# Altium PCB Smart-Plane.PcbDoc
Units mil, origin at the board's own origin, x right, y up, seen from the top; angles counter-clockwise.
Board outline 2052.28 x 989.83 mil, 4 copper layers (Top Layer, Signal Layer 1, GND, Bottom Layer), stack 36.221 mil thick; 75 components, 54 nets, 239 pads, 136 vias.
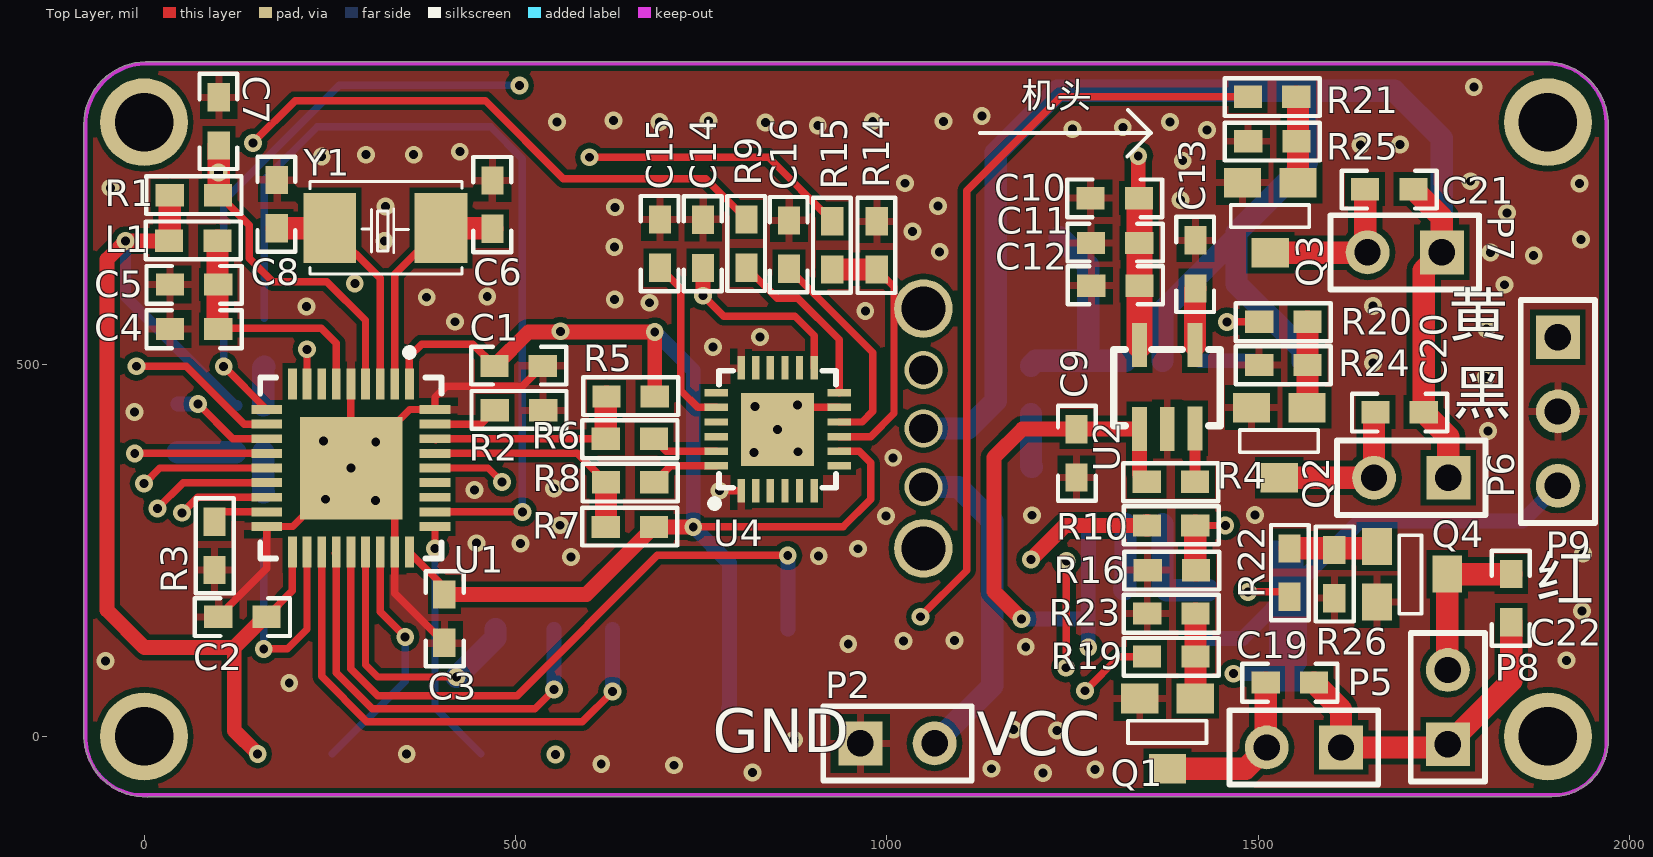
[diagram p0: Top Layer view]
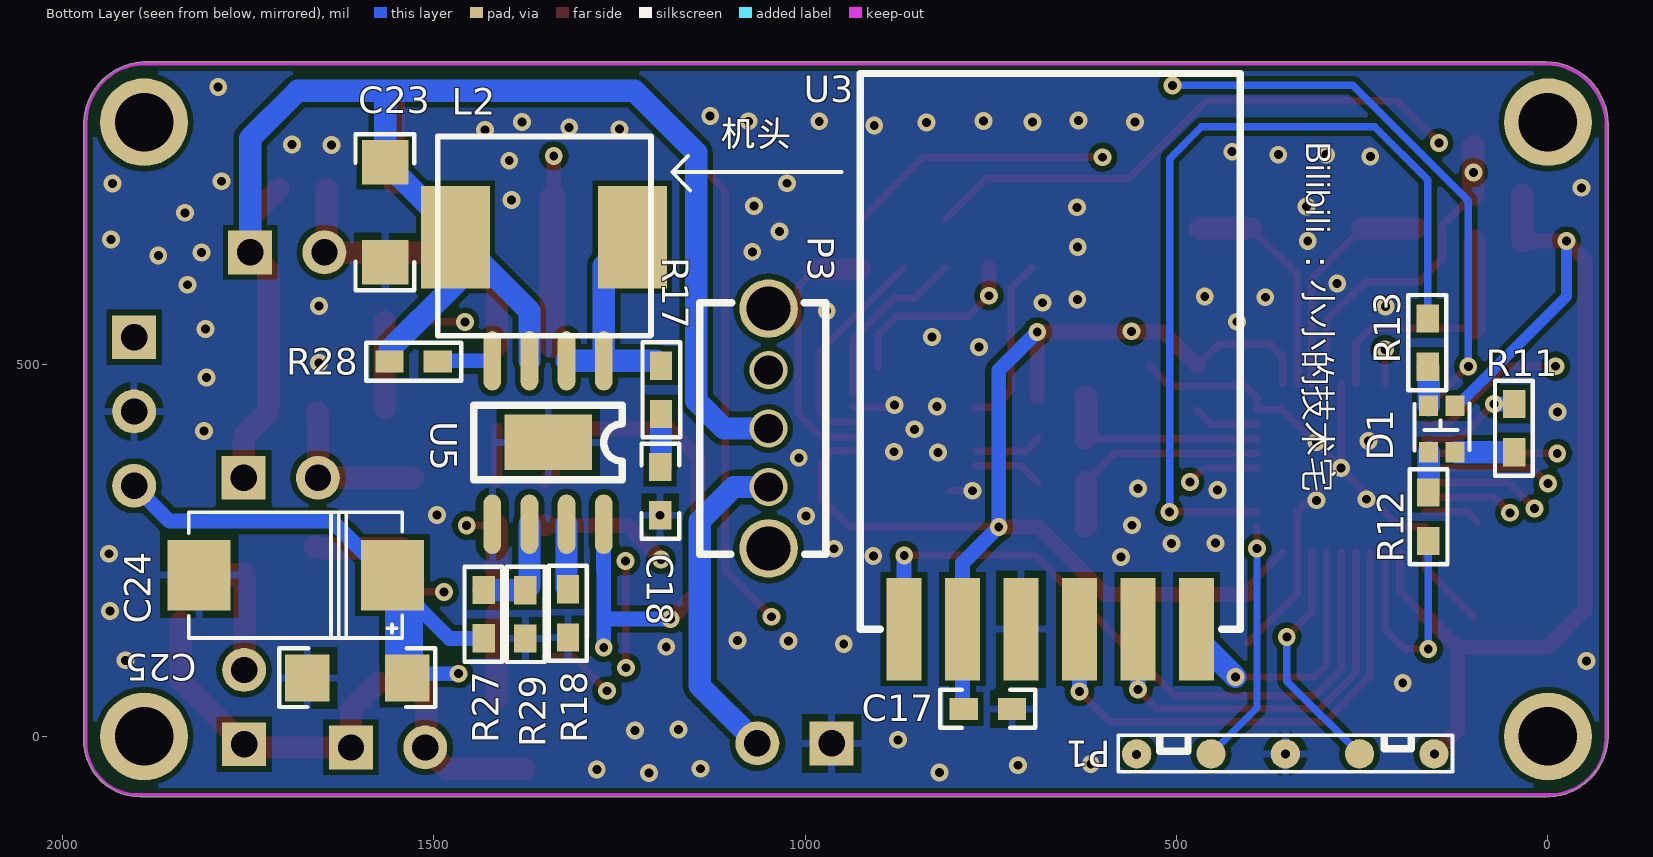
[diagram p1: Bottom Layer view, seen from below]
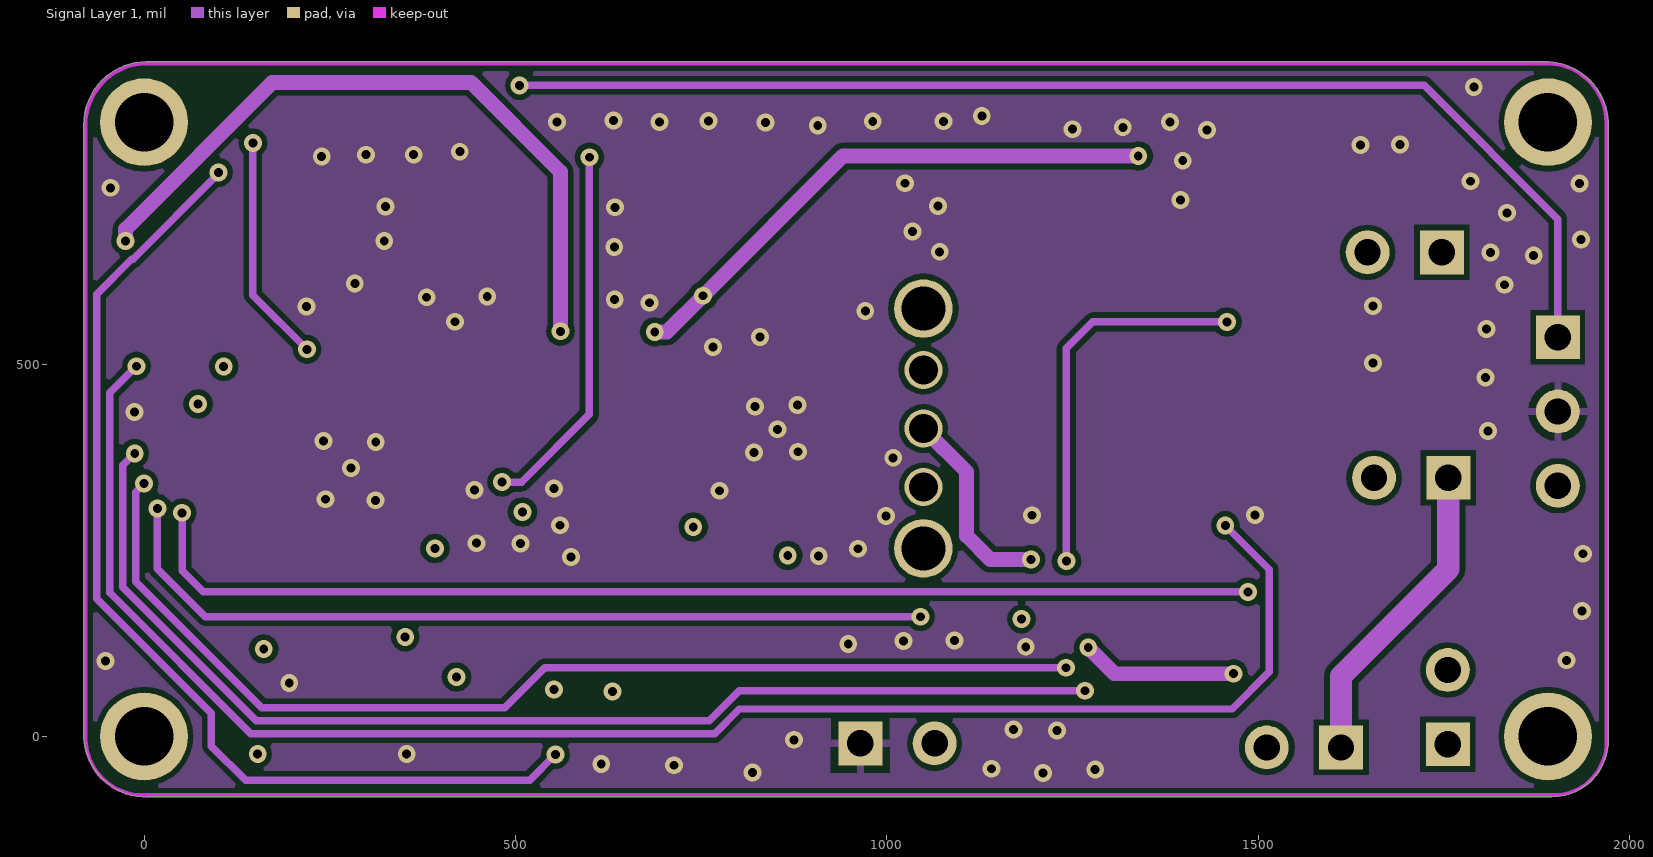
[diagram p2: Signal Layer 1]
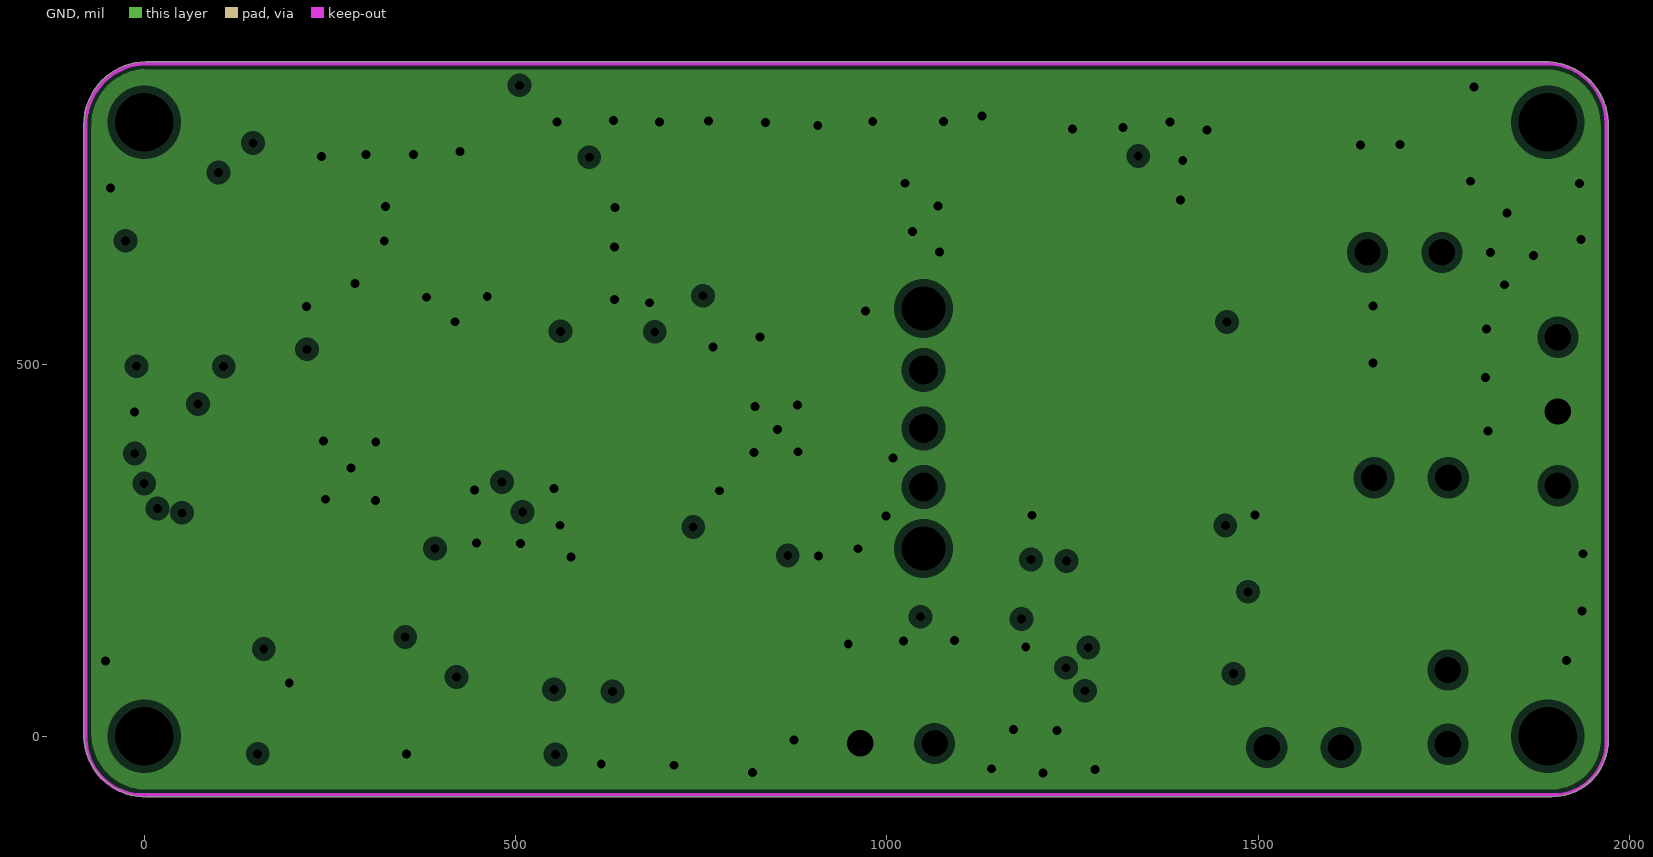
[diagram p3: GND, clearances drawn from the general rule]

## Layer stack, top to bottom
Top Solder: solder mask 1.575, Solder Resist, Dk 3.5
Top Layer: signal copper 7.874
Dielectric 1: core 1.575, FR-4, Dk 4.2
Signal Layer 1: signal copper 7.874
Dielectric 2: core 1.575, Dk 4.2
GND: plane copper 7.874, net GND
Dielectric 3: core 1.575, Dk 4.2
Bottom Layer: signal copper 7.874
Bottom Solder: solder mask 1.575, Solder Resist, Dk 3.5

## Board outline
-80.99,-0.47 cw(c-78.74,0.64) -81.26,0.64 -81.26,822.4 cw(c-78.74,822.4) -81.06,823.37 cw(c3.51,823.65) 2.02,908.21 cw(c2.06,905.7) 3.01,908.03 1889.19,908.03 cw(c1889.19,905.51) 1889.79,907.95 cw(c1886.32,823.45) 1970.81,827.2 cw(c1968.5,826.2) 1971.02,826.2 1971.02,-3.71 ccw(c1894.31,-4.55) 1971.02,-3.71 cw(c1894.31,-4.55) 1971.02,-4.55 cw(c1894.31,-4.55) 1895.15,-81.26 cw(c1895.12,-78.74) 1895.12,-81.26 6.06,-81.26 cw(c4.77,-79.1) 4.8,-81.61 cw(c3.51,2.95)

## Design rules (kind name [scope] priority, off if disabled: settings)
Clearance PVCC [InNet('PVCC') vs InNet('GND-WAVE')] p1: gap=20
Clearance [All] p2: gap=7.5
HoleSize [All] p1: absolutevalues=TRUE maxlimit=500 minlimit=1 maxpercent=80.000 minpercent=20.000
MinimumSolderMaskSliver [All] p1: minsoldermaskwidth=0
PlaneClearance [All] p1: clearance=10
PlaneConnect [All] p1: planeconnectstyle=Relief reliefexpansion=20 reliefentries=4 reliefconductorwidth=10 reliefairgap=10
PolygonConnect Via [IsVia] p1: connectstyle=Direct reliefconductorwidth=10 reliefentries=4 polygonreliefangle="90 Angle" airgapwidth=10
PolygonConnect [All] p2: connectstyle=Relief reliefconductorwidth=10 reliefentries=4 polygonreliefangle="90 Angle" airgapwidth=10
RoutingVias [All] p1: holewidth=12 width=24 viastyle="Through Hole" minholewidth=12 minwidth=24 maxholewidth=500 maxwidth=1000
ShortCircuit [All] p1: allowed=TRUE
SilkToSilkClearance [All] p1: silktosilkclearance=0
SilkToSolderMaskClearance [IsPad] p1: minsilkscreentomaskgap=0 clearancetoexposedcopper=TRUE
SolderMaskExpansion [All] p1: expansion=4
Width [All] p1: maxlimit=100 minlimit=9 preferedwidth=10
23 further rules are at their usual default settings.

## Classes and differential pairs
component class MCU: C1 C2 C3 C4 C5 C6 C7 C8 C9 C10 C11 C12 C13 C18 C23 C24 C25 L1 L2 P1 P2 P3 R1 R2 R3 R4 R17 R18 R27 R28 R29 U1 U2 U5 Y1
component class Module: C14 C15 C16 C17 C19 C20 C21 C22 D1 P5 P6 P7 P8 P9 Q1 Q2 Q3 Q4 R5 R6 R7 R8 R9 R10 R11 R12 R13 R14 R15 R16 R19 R20 R21 R22 R23 R24 R25 R26 U3 U4

## Components (designator, comment, footprint, x,y, rotation, side; value= is the part's Value field where it differs from the comment)
C1 "0.1μF" 0603C 504.3,498.7 r180 top
C2 "0.1μF" 0603C 132.4,161.1 r0 top
C3 "0.1μF" 0603C 404.2,158.5 r90 top
C4 "0.1μF" 0603C 67.3,548.5 r0 top
C5 "0.1μF" 0603C 67.3,608.3 r0 top
C6 "20pF" 0603C 469.01,715.9 r270 top
C7 "0.1μF" 0603C 100.6,827.8 r270 top
C8 "20pF" 0603C 178.71,716.4 r270 top
C9 "1μF" 0603C 1255.2,381.1 r90 top
C10 "1μF" 0603C 1306.7,724.6 r0 top
C11 "10μF" 0603C 1307.1,664.3 r180 top
C12 "0.1μF" 0603C 1307.6,606.8 r180 top
C13 "0.1μF" 0603C 1415.3,635.3 r270 top
C14 "0.1μF" 0603C 752.5,663.1 r270 top
C15 "10μF" 0603C 694.4,663.4 r270 top
C16 "0.1μF" 0603C 868.1,662.1 r270 top
C17 "10μF" 0603C 753.9,36.8 r0 bottom
C18 "2.2nF" 0603C 1195.1,330.2 r90 bottom
C19 "4.7μF" 0603C 1542.5,72.6 r0 top
C20 "4.7μF" 0603C 1690,436.5 r0 top
C21 "4.7μF" 0603C 1676.2,736.6 r0 top
C22 "4.7μF" 0603C 1840.4,186.1 r270 top
C23 "22μF" 1206C 1565.2,638.35 r90 bottom
C24 "100μF" D7343C 1555.4,217.1 r0 bottom
C25 "22μF" 1206C 1669.95,78.5 r180 bottom
D1 "RGB-LED" RGB-LED 160.53,382.41 r90 bottom
L1 "BEAD-220/100MHZ" 0603R 66.2,667.1 r180 top
L2 "4.7μH_5.5A_7*7*3" "7*7*3mm - 06030" 1470.59,672.1 r180 bottom
P1 "微型下载口" 微型下载口 553.5,-23.5 r180 bottom
P2 "Header 2" HDR1X2 964.2,-9.4 r0 top
P3 "拨动开关直插-3P" 拨动开关-3P 1049.1,335.74 r90 bottom locked
P5 "Header 2" HDR1X2 1611.3,-14.9 r180 top
P6 "Header 2" HDR1X2 1755.7,348.1 r180 top
P7 "Header 2" HDR1X2 1747,651.6 r180 top
P8 "Header 2" HDR1X2 1755.1,-10.6 r90 top
P9 "Header 3" HDR1X3 1903.2,537.4 r270 top
Q1 "CJ2310" SOT23-3 1415.1,50.99 r180 top
Q2 "CJ2310" SOT23-3 1565.5,442.59 r180 top
Q3 "CJ2310" SOT23-3 1553.3,745.39 r180 top
Q4 "CJ2310" SOT23-3 1659.7,255.8 r270 top
R1 "10K ohm" 0603R 67.1,728.3 r180 top
R2 "10K ohm" 0603R 504.7,439 r180 top
R3 "10K ohm" 0603R 94.8,256.6 r90 top
R4 "10K ohm" 0603R 1382.2,342.8 r0 top
R5 "4.7K ohm" 0603R 655,457.6 r180 top
R6 "120ohm" 0603R 654,400.5 r0 top
R7 "4.7K ohm" 0603R 653.9,282 r180 top
R8 "120ohm" 0603R 654.4,342.2 r0 top
R9 "120ohm" 0603R 810.9,663.5 r270 top
R10 "200K ohm" 0603R 1382.6,283.9 r180 top
R11 "510ohm" 0603R 45.3,415 r270 bottom
R12 "510ohm" 0603R 161.1,295.7 r90 bottom
R13 "510ohm" 0603R 161.9,530.2 r270 bottom
R14 "10K ohm" 0603R 986.4,660.9 r270 top
R15 "120ohm" 0603R 926.5,661.1 r270 top
R16 "68K ohm" 0603R 1383.5,223.8 r0 top
R17 "24K ohm" 0603R 1193.8,466.6 r90 bottom
R18 "30K ohm" 0603R 1319.1,165.6 r270 bottom
R19 "100ohm" 0603R 1382.7,107.5 r0 top
R20 "100ohm" 0603R 1533.6,558 r0 top
R21 "100ohm" 0603R 1518.5,861.2 r0 top
R22 "100ohm" 0603R 1542,220.6 r90 top
R23 "10K ohm" 0603R 1382.9,165.5 r0 top
R24 "10K ohm" 0603R 1533.6,500.1 r0 top
R25 "10K ohm" 0603R 1518.8,801.2 r0 top
R26 "10K ohm" 0603R 1602.2,218.6 r90 top
R27 "100Kohm" 0603R 1432.4,164.5 r270 bottom
R28 "10K ohm" 0603R 1526.8,504.7 r180 bottom
R29 "13K ohm" 0603R 1376.6,164.2 r90 bottom
U1 "STM32F103T8U6-36PIN" QFN-36N 278.4,361.3 r270 top locked
U2 "LP3985" SOT-23-5 1339.9,413.71 r0 top
U3 "2.4G_转串口" 2.4G-串口 866.76,144.3 r180 bottom locked
U4 "MPU6050" QFN24 852.88,413.39 r90 top locked
U5 "FP6277" "SO8 - FP6277" 1271,505.6 r270 bottom
Y1 "XTAL_8MHz_5032" 5032 250.1,684.2 r0 top

## Footprints (in the part's own frame and the unit in brackets; to place one, negate y for a bottom-side part, rotate by r counter-clockwise, add the part's x,y. Pads: shape width x height; smd on the part's side, far side on the other; paste and mask are expansions set on the pad)
2.4G-串口 [mm]
  rect 1.2x3.5 smd: 1(0,0) 2(2,0) 3(4,0) 4(6,0) 5(8,0) 6(10,0)
  silkscreen extent -1.5,0 11.5,19, body extent -1.5,0 11.5,19, height 1.5
"7*7*3mm - 06030" [mm]
  rect 2.35x3.5 smd: 1(0,0) 2(6.05,0)
  silkscreen extent -0.61,-3.37 6.68,3.44, body extent -0.64,-3.37 6.68,3.44, height 3
0603C [mil]
  rect 38x30 smd: 1(-32.5,0) 2(32.5,0)
  silkscreen extent -64,-26 64,25, body extent -35,-20 35,20, height 31
0603R [mil]
  rect 38x30 smd: 1(-32.5,0) 2(32.5,0)
  silkscreen extent -64,-26 64,25, body extent -35,-20 35,20, height 16
1206C [mm]
  rect 1.52x1.6 smd: 1(0,0) 2(3.42,0)
  silkscreen extent -0.97,-0.99 4.37,1.02, body extent -0.13,-0.89 3.68,0.89, height 2
5032 [mm]
  rect 1.8x2.4 smd: 1(0,0) 2(3.8,0)
  silkscreen extent -0.69,-1.57 4.51,1.6, body extent -0.69,-1.58 4.51,1.61, height 1.25
D7343C [mm]
  rect 2.16x2.41 smd: 1(0,0) 2(6.61,0)
  silkscreen extent -0.33,-2.15 6.97,2.15, body extent -0.35,-2.21 6.97,2.19, height 2.9
HDR1X2 [mm] "Connector; Header; 2 Position"
  rect 1.5x1.5 hole 0.9: 1(0,0)
  round 1.5 hole 0.9: 2(2.54,0)
  silkscreen extent -1.27,-1.27 3.81,1.27
HDR1X3 [mm] "Connector; Header; 3 Position"
  rect 1.5x1.5 hole 0.9: 1(0,0)
  round 1.5 hole 0.9: 2(2.54,0) 3(5.08,0)
  silkscreen extent -1.27,-1.27 6.35,1.27
QFN24 [mm]
  rect 0.8x0.25 smd: 1(-2.101,1.25) 2(-2.101,0.75) 3(-2.101,0.25) 4(-2.101,-0.25) 5(-2.101,-0.75) 6(-2.101,-1.25) 13(2.101,-1.25) 14(2.101,-0.75) 15(2.101,-0.25) 16(2.101,0.25) 17(2.101,0.75) 18(2.101,1.25)
  rect 0.25x0.8 smd: 7(-1.25,-2.101) 8(-0.75,-2.101) 9(-0.25,-2.101) 10(0.25,-2.101) 11(0.75,-2.101) 12(1.25,-2.101) 19(1.25,2.101) 20(0.75,2.101) 21(0.25,2.101) 22(-0.25,2.101) 23(-0.75,2.101) 24(-1.25,2.101)
  rect 2.5x2.5 smd: 25(0,0)
  silkscreen extent -2.66,-2 2,2.28, body extent -2,-2 2,2, height 1.3
QFN-36N [mm]
  rect 1.05x0.3 smd: 1(-2.875,2) 2(-2.875,1.5) 3(-2.875,1) 4(-2.875,0.5) 5(-2.875,0) 6(-2.875,-0.5) 7(-2.875,-1) 8(-2.875,-1.5) 9(-2.875,-2) 19(2.875,-2) 20(2.875,-1.5) 21(2.875,-1) 22(2.875,-0.5) 23(2.875,0) 24(2.875,0.5) 25(2.875,1) 26(2.875,1.5) 27(2.875,2)
  rect 0.3x1.05 smd: 10(-2,-2.875) 11(-1.5,-2.875) 12(-1,-2.875) 13(-0.5,-2.875) 14(0,-2.875) 15(0.5,-2.875) 16(1,-2.875) 17(1.5,-2.875) 18(2,-2.875) 28(2,2.875) 29(1.5,2.875) 30(1,2.875) 31(0.5,2.875) 32(0,2.875) 33(-0.5,2.875) 34(-1,2.875) 35(-1.5,2.875) 36(-2,2.875)
  silkscreen extent -4.07,-3.1 3.1,3.1
RGB-LED [mm]
  rect 0.7x0.65 smd: 1(1.6,0) 2(0,0) 3(1.6,-0.9) 4(0,-0.9)
  silkscreen extent 0.05,-1.4 1.68,0.48, body extent -0.2,-1.42 1.83,0.51, height 0.35
"SO8 - FP6277" [mil]
  oval 80x24 smd: 1(0,0) 2(0,-50) 3(0,-100) 4(0,-150) 5(220,-150) 6(220,-100) 7(220,-50) 8(220,0)
  rect 74.8x118.11 smd: 9(109.8,-74.7)
  silkscreen extent 60,-175 160,25, body extent 45,-175 175,25, height 47
SOT23-3 [mil]
  rect 50x40 smd: 1(0,0) 2(74.8,0) 3(37.4,94.49)
  silkscreen extent -15,30 91,60, body extent -25,24 99,72, height 37
SOT-23-5 [mm]
  rect 0.5x1.5 smd: 1(0,0) 2(0.95,0) 3(1.9,0.02) 4(1.9,2.87) 5(0,2.87)
  silkscreen extent -0.88,0.12 2.77,2.72, body extent -0.7,0.2 2.6,2.6, height 1
微型下载口 [mm]
  round 1 smd: 1(0,0) 2(2.54,0) 3(5.08,0) 4(7.62,0) 5(10.16,0)
  silkscreen extent -0.64,-0.61 10.79,0.64
拨动开关-3P [mm]
  round 2 hole 1.5: 0(-2.1,0) 0(6.1,0)
  round 1.3 hole 1: 1(0,0) 2(2,0) 3(4,0)
  silkscreen extent -2.29,-1.95 6.31,2.35, body extent -2.29,-1.95 6.31,2.35, height 6.7

## Part data
C1 C2 C3 C4 C5 C7 C12 C13 C14 C16: library part Cap_0.1μF_50V_0603, "0.1μF_50V,X7R,±5%"
C6 C8: library part Cap_20pF_50V_0603, "20pF_50V,CH,±5%"
C9 C10: library part Cap_1μF_50V_0603, "1μF_50V,X5R,±10%"
C11 C15 C17: library part Cap_10μF_35V_0603, "10μF_35V,X5R,20%"
C18: library part Cap_2.2nF_50V_0603, "2.2nF_50V,X7R,10%"
C19 C20 C21 C22: library part Cap_4.7μF_50V_0603, "4.7μF_50V,±10%"
C23 C25: library part Cap_22μF_35V_1206, "22μF_35V,20%"
C24: library part Cap_100μF_16V_D7343, "100μF_16V"
L1: library part BEAD-220/100MHZ_0603
L2: "4.7μH_5.5A_"
P2 P5 P6 P7 P8: "Header, 2-Pin"
P9: "Header, 3-Pin"
R1 R2 R3 R4 R14 R23 R24 R25 R26 R28: library part "Res_10K ohm_0603", "10K ohm,1%"
R5 R7: library part "Res_4.7K ohm_0603", "4.7K ohm,1%"
R6 R8 R9 R15: library part Res_120ohm_0603, "120 ohm_5%"
R10: library part "Res_200K ohm_0603", "200K ohm,1%"
R11 R12 R13: library part Res_510ohm_0603, "510 ohm,1%"
R16: library part "Res_68K ohm_0603", "68K ohm,1%"
R17: library part "Res_24K ohm_0603", "24K ohm,1%"
R18: library part "Res_30K ohm_0603", "30K ohm,1%"
R19 R20 R21 R22: library part Res_100ohm_0603, "100 ohm_5%"
R27: library part Res_100Kohm_0603, "100K ohm_5%"
R29: library part "Res_13K ohm_0603", "13K ohm,1%"
Y1: "XTAL_8MHz"

## Free pads (board coordinates)
  round 118.11 hole 78.74: 0(0,0) 0(0,826.77) 0(1889.76,0) 0(1889.76,826.77)
  rect 137.8x137.8 smd: ""(278.8,361.1)

## Via types
v1: diameter 24, hole 12, Top Layer to Bottom Layer, tented both sides, 136 vias

## Nets (pads, with @x,y where several pads share a name; then routed paths per layer and width w, separated by ;. In a path a pad name is that pad's centre, name@x,y a point inside that pad or via, vN(x,y) a via of type N, cw(c..) or ccw(c..) an arc to the next point about the centre after c; other vN are vias at no path point)
3.3V: C1.2 C2.2 C3.2 C10.2 C11.1 C12.1 C14.2 C17.2 D1.3 L1.2 P1.5 R1.2 R5.1 R7.1 U1.1 U1.19 U1.27 U2.5 U3.2 U4.8 U4.13 | length 5473.9
  Top Layer w10: C2.2 199.66,195.86 U1.19 ; U1.27 404.2,201.05 C3.2 ; U1.1 357.14,511.54 373.6,528 442.5,528 C1.2 ; v1(739.3,282) 940.9,282 978.1,319.2 978.1,368.3 962.54,383.86 U4.8 ; v1(752.5,593.2) 780.1,565.6 876.2,565.6 902.09,539.71 U4.13
  Top Layer w20: L1.2 v1(-24.9,667.1) -49.7,642.3 -49.7,169.8 0.4,119.7 121.38,119.7 ; v1(152.9,-23.5) 121.38,8.02 121.38,119.7 ; C2.2 162.78,161.1 121.38,119.7 ; C3.2 595.4,191 R7.1 v1(739.3,282) ; C1.2 517.7,544.6 v1@559.7,544.6 ; v1(560.4,545.3) v1@559.7,544.6 ; R5.1 687.5,544.5 v1(687.4,544.6) v1@559.7,544.6 ; v1(752.5,593.2) C14.2 ; v1(1338.3,781.4) 1338.3,725.5 C10.2
  Top Layer w30: L1.2 34.6,668 R1.2
  Top Layer w35: C10.2 1339.9,723.9 U2.5
  Signal Layer 1 w20: v1(-24.9,667.1) -24.9,682.9 172.4,880.2 440.3,880.2 560.4,760.1 v1(560.4,545.3) ; v1(687.4,544.6) 703.9,544.6 v1(752.5,593.2) 940.7,781.4 v1(1338.3,781.4)
  Bottom Layer w15: v1(-24.9,667.1) -24.9,591.97 121.67,445.4 D1.3
  Bottom Layer w20: v1(152.9,-23.5) P1.5 ; v1(687.4,544.6) 739.3,492.7 v1(739.3,282) 788.02,233.28 U3.2 788.02,38.42 C17.2
5V: C9.2 C24.1 C25.2 P9.3 R4.1 R27.2 U2.1 U5.8 | length 1760.9
  Top Layer w20: v1(1181.2,158) 1144.1,195.1 1144.1,375.6 1182.1,413.6 C9.2 1339.79,413.6 U2.1 1339.9,352.6 R4.1
  Signal Layer 1 w20: v1(1271,119.7) 1306.3,84.4 v1(1466.7,84.4)
  Bottom Layer w20: v1(1181.2,158) 1267.6,158 1271,161.4 ; v1(1271,119.7) 1271,161.4 ; U5.8 1271.1,285.5 1271.1,223.88 1271,223.78 1271,161.4 ; R27.2 1478.9,132 C24.1@1555.4,208.5 ; v1(1466.7,84.4) 1529.4,84.4 C25.2 1555.4,98.6 C24.1@1555.4,208.5 ; C24.1 C24.1@1555.4,208.5 ; P9.3 1855.7,289.9 1636.8,289.9 C24.1@1555.4,208.5
ADC: R10.1 R16.2 U1.11 | length 2523.9
  Top Layer w10: v1(-10.3,498.3) 57,498.3 134.94,420.36 U1.11 ; R10.1 v1(1455.5,283.9)
  Top Layer w30: R10.1 1415.1,224.7 R16.2
  Signal Layer 1 w10: v1(-10.3,498.3) -46.2,462.4 -46.2,193.65 143.85,3.6 767.95,3.6 801.25,36.9 1464.8,36.9 1514.7,86.8 1514.7,224.7 v1(1455.5,283.9)
BAT_IN: P2.2 P3.1 | length 443
  Bottom Layer w30: P3.1 1095.96,335.74 1141.7,290 1141.7,68.1 P2.2
BOOT0: R2.2 U1.35 | length 88.3
  Top Layer w10: U1.35 453.56,420.36 R2.2
BOOT1: R3.2 U1.17 | length 75.9
  Top Layer w10: R3.2 107.94,302.24 U1.17
CAM_TXD: P9.1 U1.10 | length 2399
  Top Layer w10: v1(107.15,498.1) U1.10
  Signal Layer 1 w10: v1(505.5,876.4) 1723.1,876.4 1903.2,696.3 P9.1
  Bottom Layer w10: v1(107.15,498.1) 107.15,721.05 262.5,876.4 v1(505.5,876.4)
CE: U1.24 U3.6 | length 367.1
  Top Layer w10: U1.24 298.09,96.21 314.3,80 v1(420.5,80)
  Bottom Layer w30: v1(420.5,80) 473.06,132.56 U3.6
GND: C1.1 C2.1 C3.1 C4.1 C5.1 C6.1 C7.1 C8.1 C9.1 C10.1 C11.2 C12.2 C13.1 C14.1 C15.1 C16.1 C17.1 C18.1 C23.1 C24.2 C25.1 P1.3 P2.1 P9.2 pad. Q1.2 Q2.2 Q3.2 Q4.2 R2.1 R3.1 R14.1 R16.1 R18.2 R23.1 R24.1 R25.1 R26.1 R29.1 U1.5 U1.18 U1.26 U1.36 U2.2 U3.3 U4.1 U4.11 U4.18 U4.25 U5.5 U5.9 | length 1106.1
  Top Layer w10: C2.1 165.21,226.41 U1.18 200.26,282.56 pad. ; U1.5 v1(278.4,361.5) pad. ; C3.1 337.46,192.74 U1.26 337.46,302.44 pad. ; C1.1 509.3,471.2 406.5,471.2 391.59,456.29 U1.36 357.74,440.04 pad. ; v1(774.46,330.66) U4.1 ; v1(879.8,446.1) 882.99,442.91 U4.11
  other v1: 1210,-49.1 819.1,-48.4 1280.3,-44.6 1140.7,-43.6 713.2,-38.8 615.4,-37.2 353.5,-23.5 874.8,-4.6 1229.1,8.1 1170.4,9.1 195.4,71.9 -52,101.5 1914.8,102.4 1186.9,120.6 947.9,124.4 1022.4,128.6 1090.8,129 1935.6,168.7 574.8,241.4 908.1,242.8 1937.2,245.9 960.9,252.6 447.5,260.1 506.8,259.5 560,284.2 998.6,296.5 1195.1,297.7 1495.5,297.9 311.6,317.8 244,319.2 444.8,331.9 551.8,333.6 1008.4,375 821.2,382 880.4,383.2 311.8,396.1 241.6,397.8 1808.9,411.3 852.88,413.39 -13.1,436.7 822.4,444.3 1805.7,483.3 1654.2,502.6 765.8,524 828.9,537.7 1807.3,548.5 418.5,558.2 970.9,572.7 218.6,578.7 1654.2,579.6 680.2,583.8 633.5,588.2 380.4,591.2 462,592.2 1831.3,608 283.7,609.8 1870.6,647.5 1812.7,651.2 1071,652.3 633,659 323.3,666.9 1934.5,668.8 1034.6,679.8 1834.7,704.8 634.1,712.2 324.8,713.5 1068.9,714.2 1395,722.2 -45.2,738.5 1024.2,744.6 1932.3,744.4 1785.5,747.3 1398.2,775 239.1,780.6 298.7,783.1 362.9,783.1 425,787.1 1637.6,795.9 1690.7,796.9 1431,816.1 1249.7,817.4 1317.5,819.9 906.8,822.5 555.7,827.2 693.9,826.9 836.5,826.3 1381.2,826.9 980.9,828 1076.3,828 631.9,829.1 759.7,828.5 1127.7,835.1 1790,874.2
LED-B: R13.1 U1.29 | length 1174.2
  Top Layer w10: U1.29 v1(509.24,302.24)
  Bottom Layer w10: R13.1 161.9,749.2 233.1,820.4 466.7,820.4 509.24,777.86 v1(509.24,302.24)
LED-G: R12.1 U1.20 | length 318.5
  Top Layer w10: v1(161.1,117.7) 192.7,117.7 219.34,144.34 U1.20
  Bottom Layer w10: v1(161.1,117.7) R12.1
LED-R: R11.1 U1.12 | length 139.3
  Top Layer w10: v1(72.7,447.5) 119.53,400.67 U1.12
  Bottom Layer w20: R11.1 v1(72.7,447.5)
MPU_AD0: R15.1 U1.32 | length 962.2
  Top Layer w10: U1.32 463,361.3 v1(481.9,342.4) ; v1@599.4,779.5 840.6,779.5 R15.1
  Signal Layer 1 w10: v1(481.9,342.4) 508.3,342.4 599.4,433.5 v1(599.4,779.6)
MPU_INT: R9.1 U1.8 | length 1108.7
  Top Layer w10: v1(146.5,798.9) 203.3,855.7 459.6,855.7 564.5,750.8 756.1,750.8 R9.1 ; U1.8 v1(219.34,521.06)
  Signal Layer 1 w10: v1(146.5,798.9) 146.5,593.9 v1(219.34,521.06)
NetC4_2: C4.2 C5.2 L1.1 U1.6 | length 340.7
  Top Layer w10: C4.2@98.7,549.6 238.4,549.6 258.72,529.28 U1.6
  Top Layer w30: C4.2@98.7,549.6 L1.1
NetC13_2: C13.2 U2.4 | length 76.3
  Top Layer w30: U2.4 1414.7,602.2 C13.2
NetC15_2: C15.2 U4.20 | length 234.1
  Top Layer w10: C15.2 722.4,602.9 722.4,465.6 745.09,442.91 U4.20
NetC16_2: C16.2 U4.10 | length 290
  Top Layer w10: C16.2 980.9,516.8 980.9,437.5 966.63,423.23 U4.10
NetC18_2: C18.2 R17.1 | length 71.9
  Bottom Layer w30: R17.1 1193.8,364 C18.2
NetC19_1: C19.1 P5.2 Q1.3 | length 233.5
  Top Layer w30: Q1.3 1482.7,-43.5 P5.2 1510,-13.6 C19.1
NetC20_1: C20.1 P6.2 Q2.3 | length 216.7
  Top Layer w30: Q2.3 P6.2 1655.7,434.7 C20.1
NetC21_1: C21.1 P7.2 Q3.3 | length 217.8
  Top Layer w30: Q3.3 1646.3,650.9 P7.2 1643.7,654.9 C21.1
NetC22_1: C22.1 P8.2 Q4.3 | length 215.7
  Top Layer w30: P8.2 1754.19,90.31 Q4.3 1840.2,218.4 C22.1
NetD1_1: D1.1 R13.2 | length 52.9
  Bottom Layer w30: D1.1 160.53,496.33 R13.2
NetD1_2: D1.2 R12.2 | length 54.4
  Bottom Layer w30: D1.2 160.53,328.77 R12.2
NetD1_4: D1.4 R11.2 | length 77.8
  Bottom Layer w30: R11.2 123.03,382.5 D1.4@123.03,382.41
NetL2_2: L2.2 R17.2 U5.1 U5.2 | length 312.4
  Bottom Layer w30: R17.2 1200.3,505.6 U5.1 ; L2.2 1271,633.5 U5.1 ; U5.2 U5.1
NetQ1_1: Q1.1 R19.2 R23.2 | length 114.6
  Top Layer w30: Q1.1 1415.4,51.29 R23.2
NetQ2_1: Q2.1 R20.2 R24.2 | length 115.7
  Top Layer w30: Q2.1 1566.1,443.19 R24.2 R20.2
NetQ3_1: Q3.1 R21.2 R25.2 | length 116.8
  Top Layer w30: R21.2 1553.3,858.9 Q3.1
NetQ4_1: Q4.1 R22.2 R26.2 | length 118.8
  Top Layer w30: R22.2 1657,253.1 Q4.1
NetR4_2: R4.2 U2.3 | length 71.7
  Top Layer w15: R4.2 U2.3
NetR6_2: R6.2 U4.23 | length 90.6
  Top Layer w10: R6.2 703.14,383.86 U4.23
NetR8_2: R8.2 U4.24 | length 92.4
  Top Layer w10: R8.2 708.87,364.17 U4.24
NetR9_2: R9.2 U4.12 | length 236.5
  Top Layer w10: R9.2 852.2,589.7 880.2,589.7 935.61,534.29 U4.12
NetR14_2: R14.2 R15.2 U4.9 | length 349.9
  Top Layer w10: U4.9 978.04,403.54 1009.5,435 1009.5,605.3 R14.2
  Top Layer w30: R15.2 986.2,628.6 R14.2
NetR18_1: R18.1 U5.7 | length 88.3
  Bottom Layer w30: R18.1 1321,200 U5.7
NetR27_1: R27.1 R29.2 U5.6 | length 147.1
  Bottom Layer w30: U5.6 1371,202.3 R29.2 1432.1,196.7 R27.1
NetR28_2: R28.2 U5.4 | length 73.7
  Bottom Layer w20: U5.4 1493.4,505.6 R28.2
NRST: C7.2 P1.1 R1.1 U1.4 | length 1846.9
  Top Layer w10: R1.1@100.6,729.3 141.6,688.3 141.6,643.9 173.4,612.1 246,612.1 298.09,560.01 U1.4
  Top Layer w30: R1.1@100.6,729.3 C7.2
  Signal Layer 1 w10: v1(100.1,759.2) 100.1,757.45 -14.75,642.6 -16.5,642.6 -63.7,595.4 -63.7,185.5 90.6,31.2 90.6,-13 136.8,-59.2 518.9,-59.2 v1(553.8,-24.3)
OSCIN: C6.2 U1.2 Y1.2 | length 305.1
  Top Layer w10: U1.2 337.46,621.95 Y1.2
  Top Layer w30: Y1.2 468.21,684.2 C6.2
OSCOUT: C8.2 U1.3 Y1.1 | length 309.3
  Top Layer w10: Y1.1 317.77,616.53 U1.3
  Top Layer w30: C8.2 179.01,684.2 Y1.1
PWM1: R19.1 U1.13 | length 1853.7
  Top Layer w10: v1(-12.61,380.99) U1.13 ; v1(1266.7,61.4) 1312.8,107.5 R19.1
  Signal Layer 1 w10: v1(-12.61,380.99) -28.7,364.9 -28.7,200.9 151.1,21.1 760.7,21.1 801,61.4 v1(1266.7,61.4)
PWM2: R20.1 U1.14 | length 2359.8
  Top Layer w10: v1(0.1,340.3) 21.1,361.3 U1.14 ; v1(1240.9,92.4) 1241.6,93.1 v1(1241.6,236.1) ; v1(1457.6,558) R20.1
  Signal Layer 1 w10: v1(0.1,340.3) -11.2,329 -11.2,208.15 158.35,38.6 485.4,38.6 539.2,92.4 v1(1240.9,92.4) ; v1(1241.6,236.1) 1241.6,522.4 1277.2,558 v1(1457.6,558)
PWM3: R21.1 U1.15 | length 2327.1
  Top Layer w10: v1(17.9,306.8) 52.72,341.62 U1.15 ; v1(1045.1,161.1) 1107.3,223.3 1107.3,734.6 1233.9,861.2 R21.1
  Signal Layer 1 w10: v1(17.9,306.8) 17.9,225.8 82.6,161.1 v1(1045.1,161.1)
PWM4: R22.1 U1.16 | length 1705.9
  Top Layer w10: v1(51.2,301) 72.13,321.93 U1.16 ; v1(1485.9,194.6) 1535.5,194.6 R22.1
  Signal Layer 1 w10: v1(51.2,301) 51.2,223 79.6,194.6 v1(1485.9,194.6)
RST: U1.23 U3.1 | length 937.6
  Top Layer w10: U1.23 278.4,91.15 314.65,54.9 502.3,54.9 691,243.6 v1(866.5,243.6)
  Bottom Layer w20: v1(866.5,243.6) 866.76,243.34 U3.1
RXD: U1.21 U3.4 | length 684.7
  Top Layer w10: U1.21 239.03,80.82 299.95,19.9 590.1,19.9 v1(630.54,60.34)
  Bottom Layer w20: v1(630.54,60.34) U3.4
SCL: R5.2 R6.1 U1.34 | length 289.1
  Top Layer w10: U1.34@392.76,399.5 U1.34 621.33,400.67 R6.1
  Top Layer w30: R6.1 621.5,456.6 R5.2
SDA: R7.2 R8.1 U1.33 | length 306.8
  Top Layer w10: U1.33 583.11,380.99 R8.1
  Top Layer w30: R7.2 621.9,282.5 R8.1
SWCLK: P1.2 U1.28 | length 331.7
  Top Layer w10: v1(391.59,252.91) U1.28
  Bottom Layer w10: v1(391.59,252.91) 391.59,38.41 P1.2
SWDIO: P1.4 U1.25 | length 326.2
  Top Layer w10: U1.25 317.77,167.63 v1(351.5,133.9)
  Bottom Layer w10: P1.4 351.5,74.5 v1(351.5,133.9)
TXD: U1.22 U3.5 | length 569.1
  Top Layer w10: U1.22@257.44,246.83 U1.22 258.72,85.88 307.2,37.4 526.2,37.4 v1(551.8,63)
  Bottom Layer w20: v1(551.8,63) U3.5
VCC: C19.2 C20.2 C21.2 C22.2 C23.2 L2.1 P3.2 P5.1 P6.1 P7.1 P8.1 R10.2 R28.1 U5.3 | length 3668.2
  Top Layer w20: v1(1193.9,238.1) 1239.7,283.9 R10.2
  Top Layer w30: R10.2@1349.7,284.3 R10.2 ; C19.2 1611.3,36.3 P5.1 1750.8,-14.9 P8.1 1840.4,74.7 C22.2 ; C21.2 1747,698.3 P7.1 1722.5,627.1 C20.2 1755.7,403.3 P6.1 P6.1@1766.4,337.4
  Signal Layer 1 w20: P3.2 1107.3,356.28 1107.3,269.9 1139.1,238.1 v1(1193.9,238.1)
  Signal Layer 1 w30: P5.1 1611.3,81 1755.7,225.4 P6.1
  Bottom Layer w30: P3.2 1109.18,414.48 1146.6,451.9 1146.6,785.9 1229.7,869 1564.1,869 ; U5.3 1371,572.51 L2.1 ; R28.1 1559.3,520.6 1470.59,609.31 L2.1 ; P7.1 1747,804.9 1682.9,869 1564.1,869 ; L2.1 1470.59,678.39 C23.2 1565.2,867.9 1564.1,869
pads on no net: P3.0 P3.3 U1.7 U1.9 U1.30 U1.31 U4.2 U4.3 U4.4 U4.5 U4.6 U4.7 U4.14 U4.15 U4.16 U4.17 U4.19 U4.21 U4.22

## Polygon pours and split planes (outlines as drawn)
GND on Bottom Layer "Top Layer-No Net" (solid, remove dead copper, pour order 18): -514.7,832.9 -241.3,1106.3 122.1,1106.3 2050.2,1106.3 2154.6,1001.9 2187,969.5 2187,728.5 2187,-66.5 2061.1,-192.4 2025.1,-228.4 1730.1,-228.4 -262.9,-228.4 -518.3,27
GND on Signal Layer 1 "Top Layer-No Net" (solid, remove dead copper, pour order 20): -331.2,926.4 -169.3,1088.3 262.4,1088.3 1960.3,1088.3 2039.5,1009.1 2086.3,962.3 2086.3,735.7 2086.3,-73.7 1942.4,-217.6 1895.6,-264.4 1683.4,-264.4 -216,-264.4 -338.4,-142
GND on Top Layer "Top Layer-No Net" (solid, remove dead copper, pour order 22): -435.5,915.6 -219.6,1131.5 161.6,1131.5 1913.5,1131.5 2028.7,1016.3 2071.9,973.1 2071.9,724.9 2071.9,-131.3 1982,-221.2 1902.9,-300.3 1622.2,-300.3 -280.8,-300.3 -435.5,-145.6
GND on GND (split plane): 2.06,897.49 2.21,897.55 2.2,898.05 3.01,897.94 1887.65,897.94 1889.19,897.3 1889.19,897.94 1889.21,897.94 1889.38,897.92 1889.38,897.86 1893.63,897.66 1900.87,896.58 1907.96,894.8 1914.85,892.34 1921.47,889.21 1927.74,885.45 1933.62,881.09 1939.04,876.18 1943.96,870.75 1948.32,864.88 1952.08,858.6 1955.21,851.98 1957.67,845.1 1959.45,838 1960.52,830.76 1960.72,826.75 1960.78,826.76 1960.86,826.2 1960.29,826.2 1960.93,824.65 1960.93,-3.71 1960.94,-3.8 1960.93,-3.89 1960.98,-4.21 1960.94,-4.55 1960.99,-4.91 1960.68,-11.08 1959.72,-17.56 1958.13,-23.91 1955.93,-30.07 1953.13,-35.98 1949.76,-41.6 1945.86,-46.86 1941.47,-51.71 1936.62,-56.1 1931.36,-60 1925.75,-63.36 1919.83,-66.16 1913.67,-68.37 1907.32,-69.96 1900.85,-70.92 1895.31,-71.19 1895.15,-71.17 1895.13,-71.17 1895.12,-71.17 1895.12,-70.53 1895.03,-70.57 1895.04,-71.17 6.06,-71.17 4.65,-71.36 4.64,-70.94 3.07,-71.59 -3.8,-71.26 -11.04,-70.18 -18.13,-68.4 -25.02,-65.94 -31.64,-62.81 -37.92,-59.05 -43.79,-54.69 -49.21,-49.77 -54.13,-44.35 -58.49,-38.48 -62.25,-32.2 -65.38,-25.58 -67.84,-18.69 -69.62,-11.6 -70.69,-4.36 -70.91,-0.07 -70.96,-0.07 -71.06,0.64 -70.53,0.64 -71.17,2.18 -71.17,820.85 -70.53,822.4 -71.1,822.4 -70.97,823.37 -71.04,823.87 -70.69,830.96 -69.62,838.2 -67.84,845.29 -65.37,852.18 -62.25,858.8 -58.48,865.08 -54.13,870.95 -49.21,876.37 -43.79,881.29 -37.91,885.65 -31.64,889.41 -25.02,892.54 -18.13,895 -11.03,896.78 -3.79,897.86 0.65,898.07

## Keep-outs
Keep-Out Layer:
  lines w5: 1888.8,905.8 cw(c1888.25,825.55) 1968.5,825 1968.5,-11.9 cw(c1897.1,-7.6) 1892.8,-79 3,-79 cw(c-1.2,-1.5) -78.7,-5.7 -78.7,821.3 cw(c4.15,822.95) 2.5,905.8 1891.6,905.8

## Other copper
Bottom Layer:
  rectangle net 5V: 1514.2,60.7 1560.6,264

## Silkscreen, mask and mechanical layers (free items; w line width, h text height)
Top Overlay:
  lines w5: 1125.2,812.2 1355.7,812.2 ; 1323.6,780.7 1355.1,812.2 1355.7,812.2 ; 1324.4,843.3 1355.5,812.2 1355.7,812.2
  text "机头" at 1180.9,834.8 h60
  text "黄" at 1756,519.7 h100
  text "黑" at 1761.6,415.1 h100
  text "红" at 1872.8,165.1 h100
  text "GND" at 765.6,-40.8 h100
  text "VCC" at 1121.2,-44.7 h100
Bottom Overlay:
  lines w5: 950.6,759.9 1178.9,759.9 ; 1154.6,735 1178.9,759.3 1178.9,759.9 ; 1157.4,781.4 1178.9,759.9
  lines w10: 183.8,-1.2 183.8,-16.4 220.5,-16.4 220.5,-2.9 ; 484.5,-2.7 484.5,-19.9 522.5,-19.9 522.5,-1.8
  text "Bilibili ：小小的技术宅" at 336.6,800.2 h60 r90
  text "机头" at 1113.8,783 h60
Mechanical 1:
  lines w5: -78.74,0.64 -78.74,822.4 ; -78.54,1.5 ccw(c3.51,2.95) 4.77,-79.1 ; -78.54,822.4 cw(c3.51,823.65) 2.06,905.7 ; -0.7,-78.74 1895.12,-78.74 ccw(c1894.31,-4.55) 1968.5,-3.74 1968.5,189.1 1968.5,826.2 ; 2.06,905.51 1889.19,905.51 ; 1885.06,905.5 cw(c1886.32,823.45) 1968.37,824.9
Drill Drawing:
  text "'.Legend'" at 2102.6,431.3 h60